# Altium PCB MiniSystem-Pcb-All.PcbDoc (part 4 of 8)
Units mil, origin at the board's own origin, x right, y up, seen from the top; angles counter-clockwise.
Board outline 1732.28 x 669.29 mil, 2 copper layers (Top Layer, Bottom Layer); 690 components, 49 nets, 1630 pads, 330 vias.
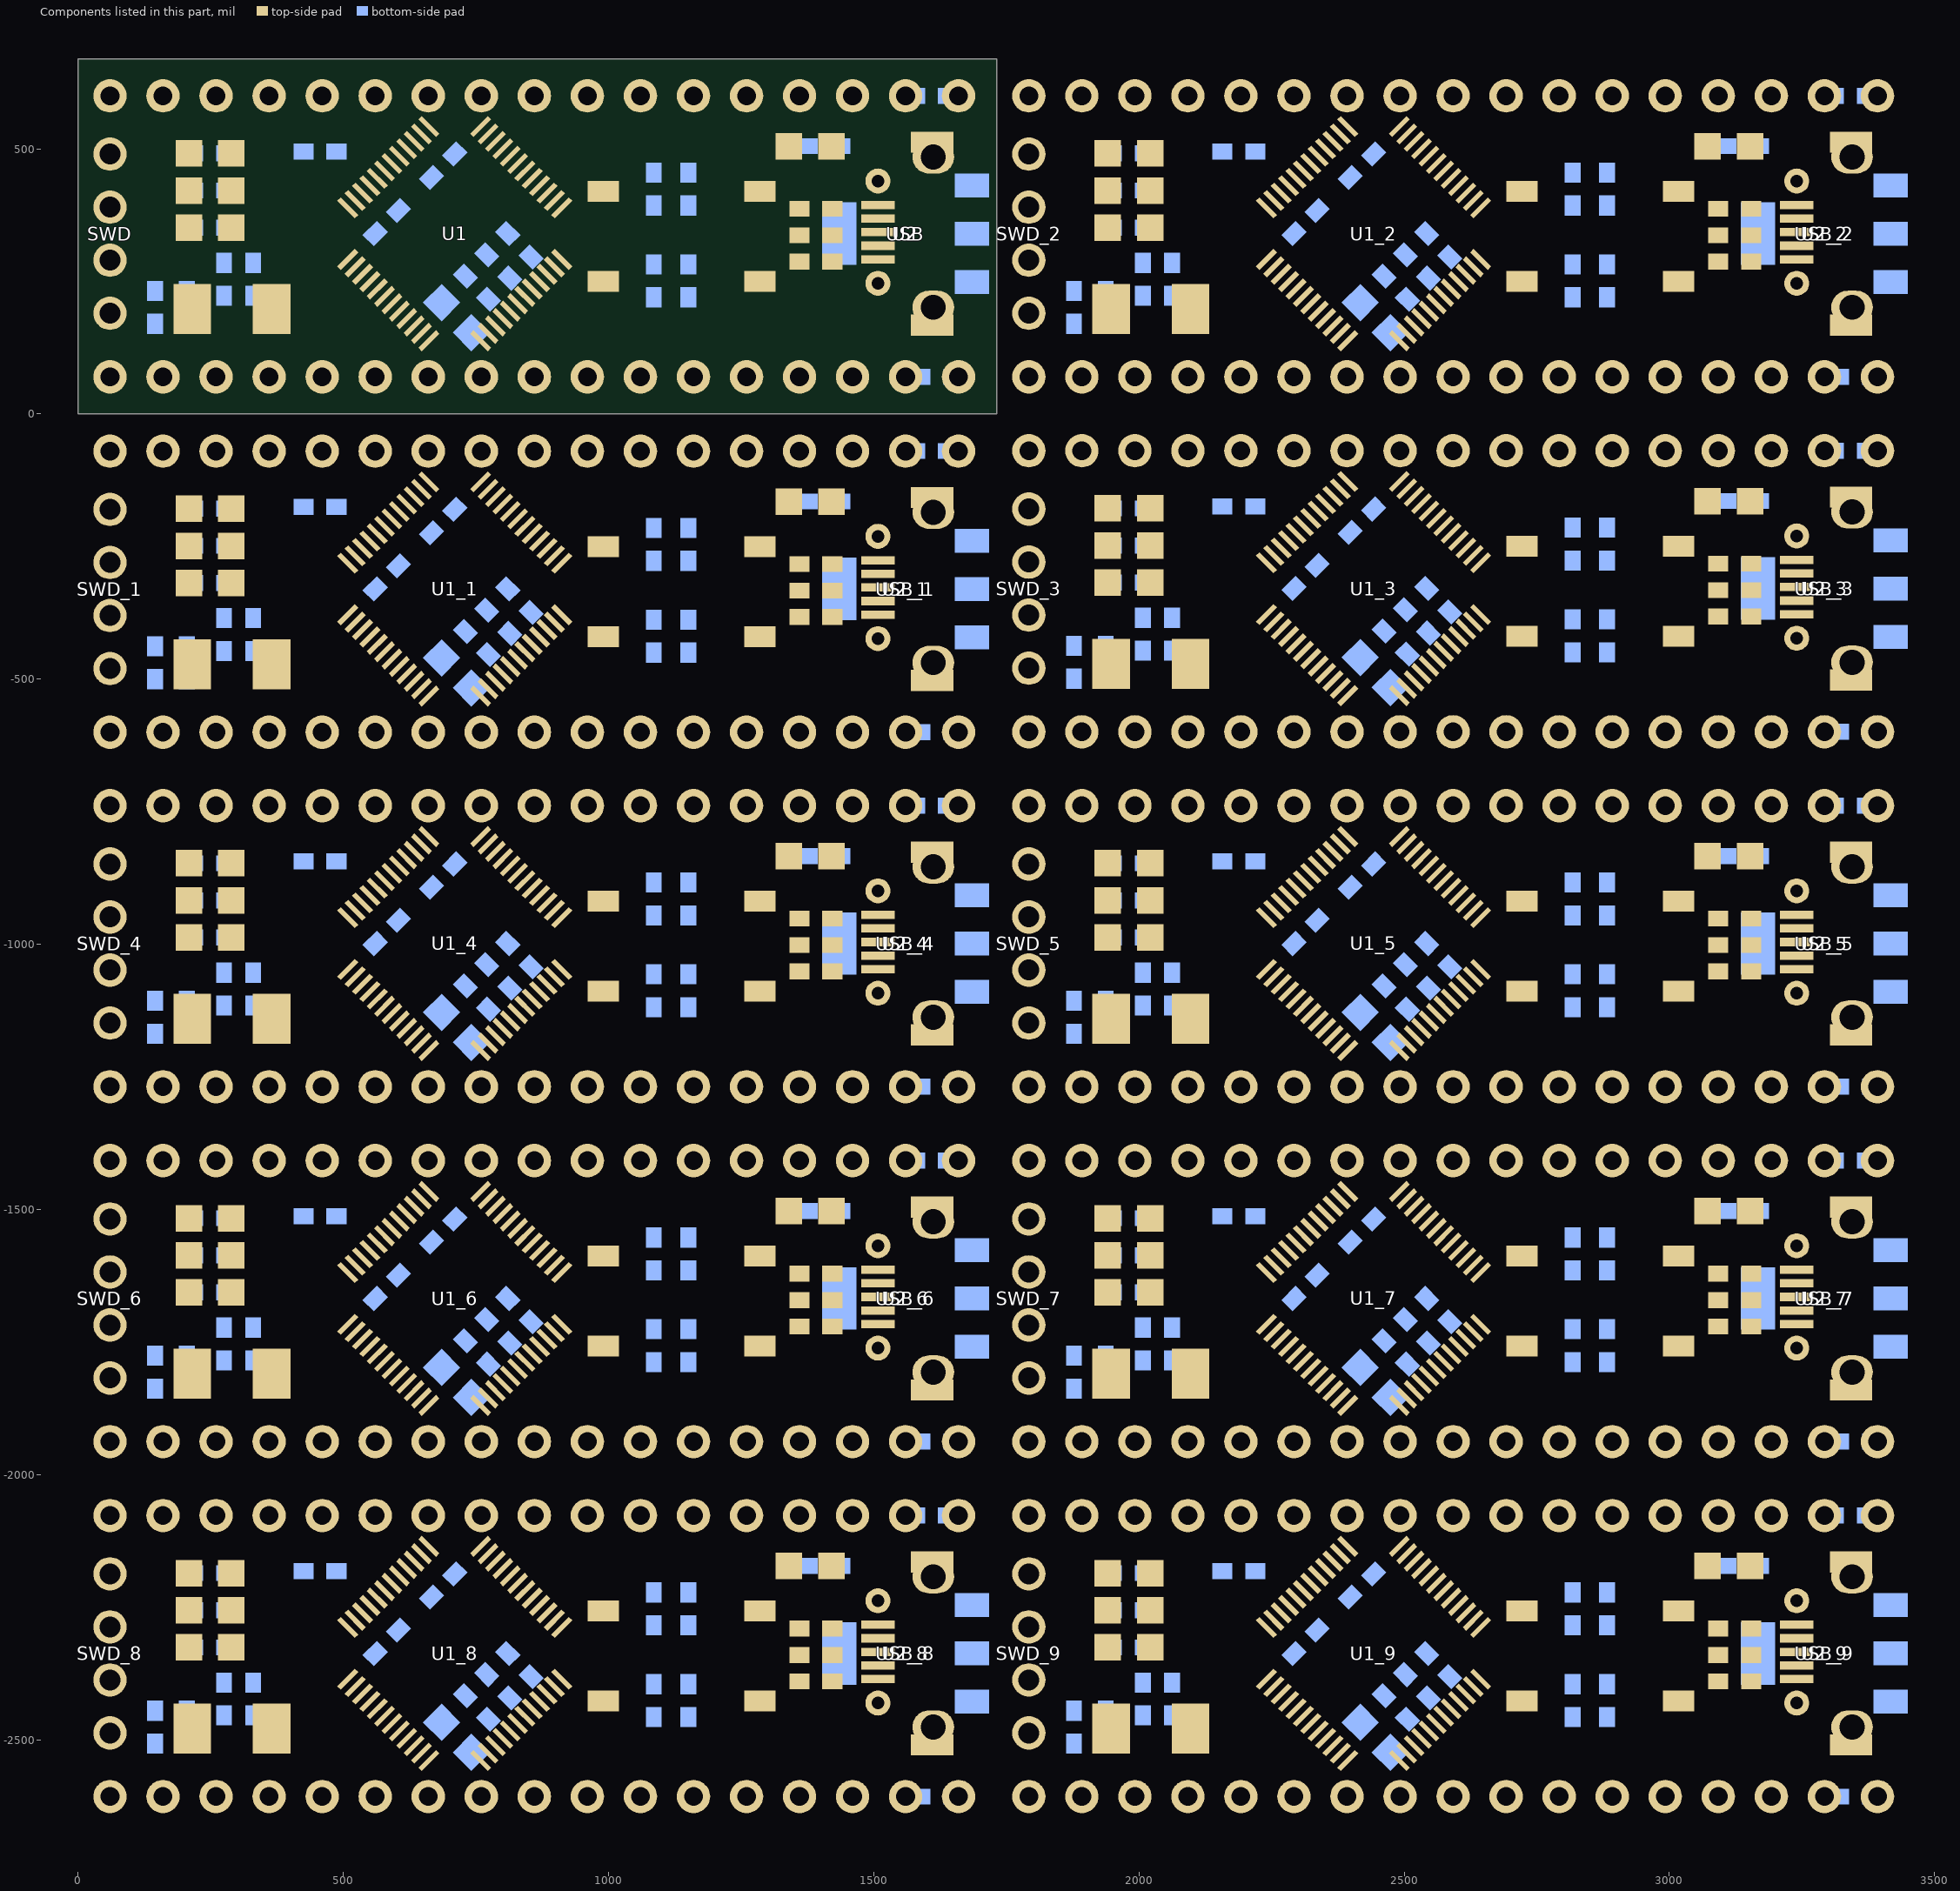
[diagram p4: the components of this part, seen from the top]

## Via types
v1: diameter 24, hole 12, Top Layer to Bottom Layer, 320 vias
v2: diameter 50, hole 30, Top Layer to Bottom Layer, 10 vias

## Nets (pads, with @x,y where several pads share a name; then routed paths per layer and width w, separated by ;. In a path a pad name is that pad's centre, name@x,y a point inside that pad or via, vN(x,y) a via of type N, cw(c..) or ccw(c..) an arc to the next point about the centre after c; other vN are vias at no path point) (continued)
copper on no net: (continued)
  Top Layer w10: 36.09,-2298.57 ccw(c18,-2307.2) 18,-2287.17 ; 36.09,-2275.76 cw(c18,-2267.13) 18,-2287.17 ; 36.09,-1629.28 ccw(c18,-1637.91) 18,-1617.87 ; 36.09,-1606.46 cw(c18,-1597.84) 18,-1617.87 ; 36.09,-959.99 ccw(c18,-968.62) 18,-948.58 ; 36.09,-937.17 cw(c18,-928.55) 18,-948.58 ; 36.09,-291.41 ccw(c18,-300.04) 18,-280 ; 36.09,-268.59 cw(c18,-259.96) 18,-280 ; 57.49,-2074.72 ccw(c75.41,-2092.19) 57.71,-2109.88 ; 57.49,-1405.43 ccw(c75.41,-1422.9) 57.71,-1440.59 ; 57.49,-736.14 ccw(c75.41,-753.6) 57.71,-771.3 ; 57.49,-67.55 ccw(c75.41,-85.02) 57.71,-102.71 ; 60,-2287.17 18,-2287.17 ; 60,-2077.17 60,-2112.17 96.7,-2148.87 318.75,-2148.87 344.55,-2174.66 360.5,-2174.66 368,-2182.17 368,-2226.62 ; 60,-1617.87 18,-1617.87 ; 60,-1407.87 60,-1442.87 96.7,-1479.57 318.75,-1479.57 344.55,-1505.37 360.5,-1505.37 368,-1512.87 368,-1557.33 ; 60,-948.58 18,-948.58 ; 60,-738.58 60,-773.58 96.7,-810.28 318.75,-810.28 344.55,-836.08 360.5,-836.08 368,-843.58 368,-888.04 ; 60,-280 18,-280 ; 60,-70 60,-105 96.7,-141.7 318.75,-141.7 344.55,-167.5 360.5,-167.5 368,-175 368,-219.46 ; 64.65,-2081.7 ccw(c82.66,-2099.26) 64.88,-2117.04 ; 64.65,-1412.41 ccw(c82.66,-1429.97) 64.88,-1447.75 ; 64.65,-743.12 ccw(c82.66,-760.67) 64.88,-778.46 ; 64.65,-74.53 ccw(c82.66,-92.09) 64.88,-109.88 ; 71.81,-2088.68 ccw(c89.91,-2106.33) 72.04,-2124.2 ; 71.81,-1419.39 ccw(c89.91,-1437.04) 72.04,-1454.91 ; 71.81,-750.1 ccw(c89.91,-767.74) 72.04,-785.62 ; 71.81,-81.52 ccw(c89.91,-99.16) 72.04,-117.04 ; 78.97,-2095.66 ccw(c97.17,-2113.4) 79.2,-2131.36 ; 78.97,-1426.37 ccw(c97.17,-1444.11) 79.2,-1462.07 ; 78.97,-757.08 ccw(c97.17,-774.82) 79.2,-792.78 ; 78.97,-88.5 ccw(c97.17,-106.23) 79.2,-124.2 ; 145.61,-2099.41 cw(c128.49,-2125.86) 160,-2125.86 ; 145.61,-1430.12 cw(c128.49,-1456.57) 160,-1456.57 ; 145.61,-760.83 cw(c128.49,-787.28) 160,-787.28 ; 145.61,-92.25 cw(c128.49,-118.7) 160,-118.7 ; 160,-2607.17 160,-2617.17 120,-2657.17 30,-2657.17 13,-2640.17 13,-2322.17 13,-2049.17 35,-2027.17 785,-2027.17 810,-2052.17 810,-2139.73 786.56,-2163.17 ; 160,-2077.17 160,-2125.87 ; 160,-1937.87 160,-1947.87 120,-1987.87 30,-1987.87 13,-1970.87 13,-1652.87 13,-1379.87 35,-1357.87 785,-1357.87 810,-1382.87 810,-1470.44 786.56,-1493.88 ; 160,-1407.87 160,-1456.57 ; 160,-1268.58 160,-1278.58 120,-1318.58 30,-1318.58 13,-1301.58 13,-983.58 13,-710.58 35,-688.58 785,-688.58 810,-713.58 810,-801.15 786.56,-824.59 ; 160,-738.58 160,-787.28 ; 160,-600 160,-610 120,-650 30,-650 13,-633 13,-315 13,-42 35,-20 785,-20 810,-45 810,-132.56 786.56,-156.01 ; 160,-70 160,-118.7 ; 174.39,-2099.41 ccw(c191.51,-2125.86) 160,-2125.86 ; 174.39,-1430.12 ccw(c191.51,-1456.57) 160,-1456.57 ; 174.39,-760.83 ccw(c191.51,-787.28) 160,-787.28 ; 174.39,-92.25 ccw(c191.51,-118.7) 160,-118.7 ; 234.36,-2483.88 ccw(c260.63,-2474.15) 260.63,-2502.17 ; 234.36,-1814.59 ccw(c260.63,-1804.86) 260.63,-1832.87 ; 234.36,-1145.3 ccw(c260.63,-1135.57) 260.63,-1163.58 ; 234.36,-476.71 ccw(c260.63,-466.98) 260.63,-495 ; 236.72,-2512.5 cw(c261.66,-2537.44) 261.66,-2502.17 ; 236.72,-1843.2 cw(c261.66,-1868.14) 261.66,-1832.87 ; 236.72,-1173.91 cw(c261.66,-1198.85) 261.66,-1163.58 ; 236.72,-505.33 cw(c261.66,-530.27) 261.66,-495 ; 243.74,-2480.41 ccw(c275,-2468.83) v1(275,-2502.17) 238.2,-2502.17 215.2,-2479.17 215.2,-2431.97 230,-2417.17 402.45,-2417.17 412.24,-2426.95 412.24,-2449.53 444.86,-2482.15 523.25,-2482.15 563.85,-2441.56 ; 243.74,-1811.11 ccw(c275,-1799.54) v1(275,-1832.87) 238.2,-1832.87 215.2,-1809.87 215.2,-1762.68 230,-1747.87 402.45,-1747.87 412.24,-1757.66 412.24,-1780.24 444.86,-1812.86 523.25,-1812.86 563.85,-1772.27 ; 243.74,-1141.82 ccw(c275,-1130.24) v1(275,-1163.58) 238.2,-1163.58 215.2,-1140.58 215.2,-1093.39 230,-1078.58 402.45,-1078.58 412.24,-1088.37 412.24,-1110.95 444.86,-1143.57 523.25,-1143.57 563.85,-1102.98 ; 243.74,-473.24 ccw(c275,-461.66) v1(275,-495) 238.2,-495 215.2,-472 215.2,-424.8 230,-410 402.45,-410 412.24,-419.79 412.24,-442.37 444.86,-474.99 523.25,-474.99 563.85,-434.4 ; 260,-2607.17 260,-2642.17 275,-2657.17 400,-2657.17 410,-2647.17 410,-2577.17 450,-2537.17 523.92,-2537.17 591.69,-2469.4 ; 260,-2082.87 260,-2077.17 295.7,-2112.87 ; 260,-1937.87 260,-1972.87 275,-1987.87 400,-1987.87 410,-1977.87 410,-1907.87 450,-1867.87 523.92,-1867.87 591.69,-1800.11 ; 260,-1413.57 260,-1407.87 295.7,-1443.57 ; 260,-1268.58 260,-1303.58 275,-1318.58 400,-1318.58 410,-1308.58 410,-1238.58 450,-1198.58 523.92,-1198.58 591.69,-1130.82 ; 260,-744.28 260,-738.58 295.7,-774.28 ; 260,-600 260,-635 275,-650 400,-650 410,-640 410,-570 450,-530 523.92,-530 591.69,-462.23 ; 260,-75.7 260,-70 295.7,-105.7 ; 264.77,-2103.23 cw(c271.06,-2137.51) 295.7,-2112.86 ; 264.77,-1433.94 cw(c271.06,-1468.22) 295.7,-1443.57 ; 264.77,-764.64 cw(c271.06,-798.93) 295.7,-774.28 ; 264.77,-96.06 cw(c271.06,-130.34) 295.7,-105.7 ; v1@270.05,-2507.12 ccw(c258.1,-2519.06) 258.1,-2502.17 ccw(c258.1,-2485.27) v1@270.05,-2497.22 ; v1@270.05,-1837.82 ccw(c258.1,-1849.77) 258.1,-1832.87 ccw(c258.1,-1815.97) v1@270.05,-1827.92 ; v1@270.05,-1168.53 ccw(c258.1,-1180.48) 258.1,-1163.58 ccw(c258.1,-1146.68) v1@270.05,-1158.63 ; v1@270.05,-499.95 ccw(c258.1,-511.9) 258.1,-495 ccw(c258.1,-478.1) v1@270.05,-490.05 ; 274.64,-2340.01 cw(c240.5,-2374.15) 288.78,-2374.15 cw(c337.06,-2374.15) 302.92,-2340.01 ; 274.64,-1670.72 cw(c240.5,-1704.86) 288.78,-1704.86 cw(c337.06,-1704.86) 302.92,-1670.72 ; 274.64,-1001.43 cw(c240.5,-1035.57) 288.78,-1035.57 cw(c337.06,-1035.57) 302.92,-1001.43 ; 274.64,-332.84 cw(c240.5,-366.99) 288.78,-366.99 cw(c337.06,-366.99) 302.92,-332.84 ; 286.06,-2081.94 ccw(c320.34,-2088.22) 295.7,-2112.86 ; 286.06,-1412.65 ccw(c320.34,-1418.93) 295.7,-1443.57 ; 286.06,-743.36 ccw(c320.34,-749.64) 295.7,-774.28 ; 286.06,-74.77 ccw(c320.34,-81.06) 295.7,-105.7 ; 288.78,-2325.87 288.78,-2385.94 302,-2399.17 409.91,-2399.17 430.24,-2419.5 430.24,-2442.08 452.31,-2464.15 513.41,-2464.15 549.93,-2427.64 ; 288.78,-1656.57 288.78,-1716.65 302,-1729.87 409.91,-1729.87 430.24,-1750.2 430.24,-1772.79 452.31,-1794.86 513.41,-1794.86 549.93,-1758.35 ; 288.78,-987.28 288.78,-1047.36 302,-1060.58 409.91,-1060.58 430.24,-1080.91 430.24,-1103.49 452.31,-1125.57 513.41,-1125.57 549.93,-1089.06 ; 288.78,-318.7 288.78,-378.78 302,-392 409.91,-392 430.24,-412.33 430.24,-434.91 452.31,-456.99 513.41,-456.99 549.93,-420.48 ; 291.47,-2265.5 cw(c301.52,-2301.38) 327.87,-2275.03 ; 291.47,-1596.2 cw(c301.52,-1632.09) 327.87,-1605.74 ; 291.47,-926.91 cw(c301.52,-962.8) 327.87,-936.45 ; 291.47,-258.33 cw(c301.52,-294.22) 327.87,-267.87 ; 295.65,-2193.13 cw(c310.8,-2209.14) 326.39,-2193.56 ; 295.65,-1523.84 cw(c310.8,-1539.85) 326.39,-1524.26 ; 295.65,-854.55 cw(c310.8,-870.56) 326.39,-854.97 ; 295.65,-185.96 cw(c310.8,-201.98) 326.39,-186.39 ; 302.52,-2200.39 cw(c317.87,-2216.62) 333.66,-2200.83 ; 302.52,-1531.1 cw(c317.87,-1547.32) 333.66,-1531.53 ; 302.52,-861.81 cw(c317.87,-878.03) 333.66,-862.24 ; 302.52,-193.23 cw(c317.87,-209.45) 333.66,-193.66 ; 307.26,-2193.51 cw(c318.7,-2198.25) 318.7,-2185.87 ; 307.26,-2178.22 ccw(c318.7,-2173.49) 318.7,-2185.87 ; 307.26,-1524.22 cw(c318.7,-1528.96) 318.7,-1516.57 ; 307.26,-1508.93 ccw(c318.7,-1504.19) 318.7,-1516.57 ; 307.26,-854.93 cw(c318.7,-859.66) 318.7,-847.28 ; 307.26,-839.64 ccw(c318.7,-834.9) 318.7,-847.28 ; 307.26,-186.35 cw(c318.7,-191.08) 318.7,-178.7 ; 307.26,-171.05 ccw(c318.7,-166.32) 318.7,-178.7 ; 315.77,-2262.94 ccw(c296.23,-2282.49) 288.78,-2255.87 308.7,-2255.87 330,-2277.17 330,-2371.17 340,-2381.17 417.36,-2381.17 448.24,-2412.04 448.24,-2434.62 459.77,-2446.15 503.58,-2446.15 536.01,-2413.72 ; 315.77,-1593.65 ccw(c296.23,-1613.19) 288.78,-1586.57 308.7,-1586.57 330,-1607.87 330,-1701.87 340,-1711.87 417.36,-1711.87 448.24,-1742.75 448.24,-1765.33 459.77,-1776.86 503.58,-1776.86 536.01,-1744.43 ; 315.77,-924.36 ccw(c296.23,-943.9) 288.78,-917.28 308.7,-917.28 330,-938.58 330,-1032.58 340,-1042.58 417.36,-1042.58 448.24,-1073.46 448.24,-1096.04 459.77,-1107.57 503.58,-1107.57 536.01,-1075.14 ; 315.77,-255.77 ccw(c296.23,-275.32) 288.78,-248.7 308.7,-248.7 330,-270 330,-364 340,-374 417.36,-374 448.24,-404.87 448.24,-427.46 459.77,-438.99 503.58,-438.99 536.01,-406.56 ; 319.12,-2186.29 ccw(c303.73,-2201.67) 288.78,-2185.87 318.7,-2185.87 ; 319.12,-1517 ccw(c303.73,-1532.38) 288.78,-1516.57 318.7,-1516.57 ; 319.12,-847.7 ccw(c303.73,-863.09) 288.78,-847.28 318.7,-847.28 ; 319.12,-179.12 ccw(c303.73,-194.51) 288.78,-178.7 318.7,-178.7 ; 360,-2077.17 403.5,-2120.66 ; 360,-1407.87 403.5,-1451.37 ; 360,-738.58 403.5,-782.08 ; 360,-70 403.5,-113.5 ; 360.46,-2093.65 cw(c361.48,-2129.84) 387.08,-2104.24 cw(c412.68,-2078.65) 376.49,-2077.63 ; 360.46,-1424.36 cw(c361.48,-1460.55) 387.08,-1434.95 cw(c412.68,-1409.35) 376.49,-1408.34 ; 360.46,-755.07 cw(c361.48,-791.26) 387.08,-765.66 cw(c412.68,-740.06) 376.49,-739.05 ; 360.46,-86.49 cw(c361.48,-122.68) 387.08,-97.08 cw(c412.68,-71.48) 376.49,-70.46 ; 360.74,-2103.65 cw(c362.38,-2161.78) 403.49,-2120.66 ; 360.74,-1434.36 cw(c362.38,-1492.49) 403.49,-1451.37 ; 360.74,-765.07 cw(c362.38,-823.19) 403.49,-782.08 ; 360.74,-96.49 cw(c362.38,-154.61) 403.49,-113.49 ; 373.27,-2231.89 368,-2226.62 ; 373.27,-1562.6 368,-1557.33 ; 373.27,-893.31 368,-888.04 ; 373.27,-224.73 368,-219.46 ; 380,-2363.17 400,-2363.17 ; 380,-1693.87 400,-1693.87 ; 380,-1024.58 400,-1024.58 ; 380,-356 400,-356 ; 386.49,-2077.91 ccw(c444.61,-2079.54) 403.49,-2120.66 ; 386.49,-1408.62 ccw(c444.61,-1410.25) 403.49,-1451.37 ; 386.49,-739.33 ccw(c444.61,-740.96) 403.49,-782.08 ; 386.49,-70.74 ccw(c444.61,-72.38) 403.49,-113.49 ; 391.5,-2138.66 405,-2138.66 ; 391.5,-1469.37 405,-1469.37 ; 391.5,-800.08 405,-800.08 ; 391.5,-131.5 405,-131.5 ; 460,-2607.17 505,-2562.17 610.27,-2562.17 647.36,-2525.08 ; 460,-2077.17 491.76,-2077.17 605.6,-2191.01 ; 460,-1937.87 505,-1892.87 610.27,-1892.87 647.36,-1855.79 ; 460,-1407.87 491.76,-1407.87 605.6,-1521.72 ; 460,-1268.58 505,-1223.58 610.27,-1223.58 647.36,-1186.49 ; 460,-738.58 491.76,-738.58 605.6,-852.43 ; 460,-600 505,-555 610.27,-555 647.36,-517.91 ; 460,-70 491.76,-70 605.6,-183.85 ; v1(485,-2182.17) 513.24,-2182.17 563.85,-2232.77 ; v1(485,-1512.87) 513.24,-1512.87 563.85,-1563.48 ; v1(485,-843.58) 513.24,-843.58 563.85,-894.19 ; v1(485,-175) 513.24,-175 563.85,-225.6 ; v1@489.95,-2187.12 cw(c501.9,-2199.06) 501.9,-2182.17 cw(c501.9,-2165.27) v1@489.95,-2177.22 ; v1@489.95,-1517.82 cw(c501.9,-1529.77) 501.9,-1512.87 cw(c501.9,-1495.97) v1@489.95,-1507.92 ; v1@489.95,-848.53 cw(c501.9,-860.48) 501.9,-843.58 cw(c501.9,-826.68) v1@489.95,-838.63 ; v1@489.95,-179.95 cw(c501.9,-191.9) 501.9,-175 cw(c501.9,-158.1) v1@489.95,-170.05 ; 508.17,-2385.88 512.25,-2381.8 515.36,-2381.8 540,-2357.17 ; 508.17,-2288.45 v1@556.89,-2337.17 ; 508.17,-1716.59 512.25,-1712.51 515.36,-1712.51 540,-1687.87 ; 508.17,-1619.16 v1@556.89,-1667.87 ; 508.17,-1047.3 512.25,-1043.22 515.36,-1043.22 540,-1018.58 ; 508.17,-949.86 v1@556.89,-998.58 ; 508.17,-378.72 512.25,-374.64 515.36,-374.64 540,-350 ; 508.17,-281.28 v1@556.89,-330 ; 522.09,-2399.8 494.73,-2427.17 466.24,-2427.17 466.24,-2404.58 424.82,-2363.17 400,-2363.17 ; 522.09,-2274.53 554.73,-2307.17 590,-2307.17 v1(633.35,-2263.81) ; 522.09,-1730.51 494.73,-1757.87 466.24,-1757.87 466.24,-1735.29 424.82,-1693.87 400,-1693.87 ; 522.09,-1605.24 554.73,-1637.87 590,-1637.87 v1(633.35,-1594.52) ; 522.09,-1061.22 494.73,-1088.58 466.24,-1088.58 466.24,-1066 424.82,-1024.58 400,-1024.58 ; 522.09,-935.94 554.73,-968.58 590,-968.58 v1(633.35,-925.23) ; 522.09,-392.64 494.73,-420 466.24,-420 466.24,-397.42 424.82,-356 400,-356 ; 522.09,-267.36 554.73,-300 590,-300 v1(633.35,-256.64) ; 536.01,-2260.61 512.56,-2237.17 378,-2237.17 368,-2227.17 368,-2226.62 ; 536.01,-1591.32 512.56,-1567.87 378,-1567.87 368,-1557.87 368,-1557.33 ; 536.01,-922.03 512.56,-898.58 378,-898.58 368,-888.58 368,-888.04 ; 536.01,-253.44 512.56,-230 378,-230 368,-220 368,-219.46 ; 549.44,-2101.47 cw(c542.45,-2117.57) 560,-2117.57 ; 549.44,-1432.18 cw(c542.45,-1448.27) 560,-1448.27 cw(c577.55,-1448.27) 570.56,-1432.18 ; 549.44,-762.88 cw(c542.45,-778.98) 560,-778.98 ; 549.44,-94.3 cw(c542.45,-110.4) 560,-110.4 ; 549.93,-2246.69 522.4,-2219.17 386,-2219.17 386,-2172.66 370,-2156.66 352.53,-2156.66 336.78,-2140.91 336.25,-2140.91 326.21,-2130.87 165,-2130.87 160,-2125.87 ; 549.93,-1577.4 522.4,-1549.87 386,-1549.87 386,-1503.37 370,-1487.37 352.53,-1487.37 336.78,-1471.62 336.25,-1471.62 326.21,-1461.57 165,-1461.57 160,-1456.57 ; 549.93,-908.11 522.4,-880.58 386,-880.58 386,-834.08 370,-818.08 352.53,-818.08 336.78,-802.33 336.25,-802.33 326.21,-792.28 165,-792.28 160,-787.28 ; 549.93,-239.52 522.4,-212 386,-212 386,-165.5 370,-149.5 352.53,-149.5 336.78,-133.75 336.25,-133.75 326.21,-123.7 165,-123.7 160,-118.7 ; v1@553,-2337.17 cw(c536.1,-2337.17) 548.05,-2349.12 cw(c560,-2361.06) v1@560,-2344.17 ; v1@553,-1667.87 cw(c536.1,-1667.87) 548.05,-1679.82 cw(c560,-1691.77) v1@560,-1674.87 ; v1@553,-998.58 cw(c536.1,-998.58) 548.05,-1010.53 cw(c560,-1022.48) v1@560,-1005.58 ; v1@553,-330 cw(c536.1,-330) 548.05,-341.95 cw(c560,-353.9) v1@560,-337 ; 560,-2607.17 593.11,-2607.17 661.28,-2539 ; 560,-2077.17 560,-2117.57 ; 560,-1937.87 593.11,-1937.87 661.28,-1869.71 ; 560,-1407.87 560,-1448.28 619.52,-1507.8 ; 560,-1268.58 593.11,-1268.58 661.28,-1200.41 ; 560,-738.58 560,-778.98 ; 560,-600 593.11,-600 661.28,-531.83 ; 560,-70 560,-110.4 ; v1@564.95,-2342.12 cw(c576.9,-2354.06) 576.9,-2337.17 cw(c576.9,-2320.27) v1@564.95,-2332.22 ; v1@564.95,-1672.82 cw(c576.9,-1684.77) 576.9,-1667.87 cw(c576.9,-1650.97) v1@564.95,-1662.92 ; v1@564.95,-1003.53 cw(c576.9,-1015.48) 576.9,-998.58 cw(c576.9,-981.68) v1@564.95,-993.63 ; v1@564.95,-334.95 cw(c576.9,-346.9) 576.9,-330 cw(c576.9,-313.1) v1@564.95,-325.05 ; v1@570.05,-2527.22 ccw(c558.1,-2515.27) 575,-2515.27 ccw(c591.9,-2515.27) v1@579.95,-2527.22 ; v1@570.05,-1857.92 ccw(c558.1,-1845.97) 575,-1845.97 ccw(c591.9,-1845.97) v1@579.95,-1857.92 ; v1@570.05,-1188.63 ccw(c558.1,-1176.68) 575,-1176.68 ccw(c591.9,-1176.68) v1@579.95,-1188.63 ; v1@570.05,-520.05 ccw(c558.1,-508.1) 575,-508.1 ccw(c591.9,-508.1) v1@579.95,-520.05 ; 570.56,-2101.47 ccw(c577.55,-2117.57) 560,-2117.57 ; 570.56,-762.88 ccw(c577.55,-778.98) 560,-778.98 ; 570.56,-94.3 ccw(c577.55,-110.4) 560,-110.4 ; v1(575,-2532.17) 575,-2513.92 605.6,-2483.32 ; v1(575,-1862.87) 575,-1844.63 605.6,-1814.03 ; v1(575,-1193.58) 575,-1175.34 605.6,-1144.74 ; v1(575,-525) 575,-506.76 605.6,-476.15 ; 577.77,-2218.85 497.58,-2138.66 405,-2138.66 ; 577.77,-1549.56 497.58,-1469.37 405,-1469.37 ; 577.77,-880.27 497.58,-800.08 405,-800.08 ; 577.77,-211.68 497.58,-131.5 405,-131.5 ; 591.69,-2204.93 507.42,-2120.66 403.5,-2120.66 ; 591.69,-1535.64 507.42,-1451.37 403.5,-1451.37 ; 591.69,-866.35 507.42,-782.08 403.5,-782.08 ; 591.69,-197.76 507.42,-113.5 403.5,-113.5 ; 612.02,-2090.15 cw(c639.5,-2117.64) 657.06,-2082.96 ; 612.02,-1420.86 cw(c639.5,-1448.34) 657.06,-1413.67 ; 612.02,-751.57 cw(c639.5,-779.05) 657.06,-744.38 ; 612.02,-82.98 cw(c639.5,-110.47) 657.06,-75.79 ; 619.52,-2497.24 659.6,-2457.17 670,-2457.17 ; 619.52,-2177.09 560,-2117.57 ; 619.52,-1827.95 659.6,-1787.87 670,-1787.87 ; 619.52,-1158.66 659.6,-1118.58 670,-1118.58 ; 619.52,-838.51 560,-778.98 ; 619.52,-490.07 659.6,-450 670,-450 ; 619.52,-169.93 560,-110.4 ; 621.77,-2080.39 cw(c646.06,-2104.68) 661.58,-2074.04 ; 621.77,-1411.1 cw(c646.06,-1435.39) 661.58,-1404.75 ; 621.77,-741.81 cw(c646.06,-766.1) 661.58,-735.46 ; 621.77,-73.23 cw(c646.06,-97.52) 661.58,-66.87 ; v1@626.35,-2263.81 cw(c609.46,-2263.81) 621.41,-2275.76 cw(c633.35,-2287.71) v1@633.35,-2270.81 ; v1@626.35,-1594.52 cw(c609.46,-1594.52) 621.41,-1606.47 cw(c633.35,-1618.42) v1@633.35,-1601.52 ; v1@626.35,-925.23 cw(c609.46,-925.23) 621.41,-937.18 cw(c633.35,-949.13) v1@633.35,-932.23 ; v1@626.35,-256.64 cw(c609.46,-256.64) 621.41,-268.59 cw(c633.35,-280.54) v1@633.35,-263.64 ; 633.44,-2511.16 657.44,-2487.17 666.06,-2487.17 681.06,-2502.17 695,-2502.17 792.54,-2404.62 ; 633.44,-2163.17 610,-2139.73 610,-2092.17 625,-2077.17 660,-2077.17 ; 633.44,-1841.87 657.44,-1817.87 666.06,-1817.87 681.06,-1832.87 695,-1832.87 792.54,-1735.33 ; 633.44,-1493.88 610,-1470.44 610,-1422.87 625,-1407.87 660,-1407.87 ; 633.44,-1172.58 657.44,-1148.58 666.06,-1148.58 681.06,-1163.58 695,-1163.58 792.54,-1066.04 ; 633.44,-824.59 610,-801.15 610,-753.58 625,-738.58 660,-738.58 ; 633.44,-503.99 657.44,-480 666.06,-480 681.06,-495 695,-495 792.54,-397.46 ; 633.44,-156.01 610,-132.56 610,-85 625,-70 660,-70 ; 647.36,-2149.25 675.28,-2177.17 680,-2177.17 760,-2097.17 760,-2077.17 ; 647.36,-1479.96 675.28,-1507.87 680,-1507.87 760,-1427.87 760,-1407.87 ; 647.36,-810.67 675.28,-838.58 680,-838.58 760,-758.58 760,-738.58 ; 647.36,-142.09 675.28,-170 680,-170 760,-90 760,-70 ; 649.15,-2466.32 540,-2357.17 ; 649.15,-1797.02 540,-1687.87 ; 649.15,-1127.73 540,-1018.58 ; 649.15,-459.15 540,-350 ; 660,-2607.17 660,-2604.05 741.89,-2522.17 758.72,-2539 ; 660,-1937.87 660,-1934.76 741.89,-1852.87 758.72,-1869.71 ; 660,-1268.58 660,-1265.47 741.89,-1183.58 758.72,-1200.41 ; 660,-600 660,-596.89 741.89,-515 758.72,-531.83 ; 674.37,-2148.7 cw(c688.61,-2148.7) 678.54,-2138.62 ; 674.37,-1479.4 cw(c688.61,-1479.4) 678.54,-1469.33 ; 674.37,-810.11 cw(c688.61,-810.11) 678.54,-800.04 ; 674.37,-141.53 cw(c688.61,-141.53) 678.54,-131.46 ; 674.42,-2148.85 cw(c678.69,-2145.86) 675,-2142.17 v1(700,-2117.17) ; 674.42,-1479.56 cw(c678.69,-1476.56) 675,-1472.87 v1(700,-1447.87) ; 674.42,-810.27 cw(c678.69,-807.27) 675,-803.58 v1(700,-778.58) ; 674.42,-141.69 cw(c678.69,-138.69) 675,-135 v1(700,-110) ; v1@693,-2117.17 cw(c676.1,-2117.17) 688.05,-2129.12 cw(c700,-2141.06) v1@700,-2124.17 ; v1@693,-1447.87 cw(c676.1,-1447.87) 688.05,-1459.82 cw(c700,-1471.77) v1@700,-1454.87 ; v1@693,-778.58 cw(c676.1,-778.58) 688.05,-790.53 cw(c700,-802.48) v1@700,-785.58 ; v1@693,-110 cw(c676.1,-110) 688.05,-121.95 cw(c700,-133.9) v1@700,-117 ; v1(705,-2267.17) 750,-2222.17 750,-2171.89 772.64,-2149.25 ; v1@705,-2260.17 ccw(c705,-2243.27) 716.95,-2255.22 ccw(c728.9,-2267.17) v1@712,-2267.17 ; v1(705,-1597.87) 750,-1552.87 750,-1502.6 772.64,-1479.96 ; v1@705,-1590.87 ccw(c705,-1573.97) 716.95,-1585.92 ccw(c728.9,-1597.87) v1@712,-1597.87 ; v1(705,-928.58) 750,-883.58 750,-833.31 772.64,-810.67 ; v1@705,-921.58 ccw(c705,-904.68) 716.95,-916.63 ccw(c728.9,-928.58) v1@712,-928.58 ; v1(705,-260) 750,-215 750,-164.73 772.64,-142.09 ; v1@705,-253 ccw(c705,-236.1) 716.95,-248.05 ccw(c728.9,-260) v1@712,-260 ; v1@710,-2177.05 ccw(c710,-2160.15) 721.95,-2172.1 ccw(c733.9,-2184.05) 717,-2184.05 ccw(c741.42,-2184.05) 724.15,-2201.32 ; v1@710,-1507.76 ccw(c710,-1490.86) 721.95,-1502.81 ccw(c733.9,-1514.76) 717,-1514.76 ccw(c741.42,-1514.76) 724.15,-1532.03 ; v1@710,-838.47 ccw(c710,-821.57) 721.95,-833.52 ccw(c733.9,-845.47) 717,-845.47 ccw(c741.42,-845.47) 724.15,-862.73 ; v1@710,-169.89 ccw(c710,-152.99) 721.95,-164.94 ccw(c733.9,-176.89) 717,-176.89 ccw(c741.42,-176.89) 724.15,-194.15 ; 733.98,-2530.07 cw(c745.36,-2541.45) 745.36,-2525.36 ; 733.98,-1860.78 cw(c745.36,-1872.15) 745.36,-1856.07 ; 733.98,-1191.49 cw(c745.36,-1202.86) 745.36,-1186.78 ; 733.98,-522.91 cw(c745.36,-534.28) 745.36,-518.19 ; 758.72,-2135.33 v1(710,-2184.05) 710,-2187.17 730,-2207.17 600,-2337.17 v1(560,-2337.17) 540,-2357.17 ; 758.72,-1466.04 v1(710,-1514.76) 710,-1517.87 730,-1537.87 600,-1667.87 v1(560,-1667.87) 540,-1687.87 ; 758.72,-796.75 v1(710,-845.47) 710,-848.58 730,-868.58 600,-998.58 v1(560,-998.58) 540,-1018.58 ; 758.72,-128.17 v1(710,-176.89) 710,-180 730,-200 600,-330 v1(560,-330) 540,-350 ; 760,-2607.17 775,-2607.17 805,-2577.17 ; 760,-1937.87 775,-1937.87 805,-1907.87 805,-1888.15 772.64,-1855.79 ; 760,-1268.58 775,-1268.58 805,-1238.58 ; 760,-600 775,-600 805,-570 ; 766.96,-2592.21 ccw(c777.4,-2569.78) 794.89,-2587.27 ; 766.96,-1922.92 ccw(c777.4,-1900.49) 794.89,-1917.98 ; 766.96,-1253.63 ccw(c777.4,-1231.2) 794.89,-1248.69 ; 766.96,-585.04 ccw(c777.4,-562.61) 794.89,-580.11 ; 771.18,-2583.14 ccw(c783.82,-2555.99) 